# KiCad board Leopold Replacement.kicad_pcb (continued)
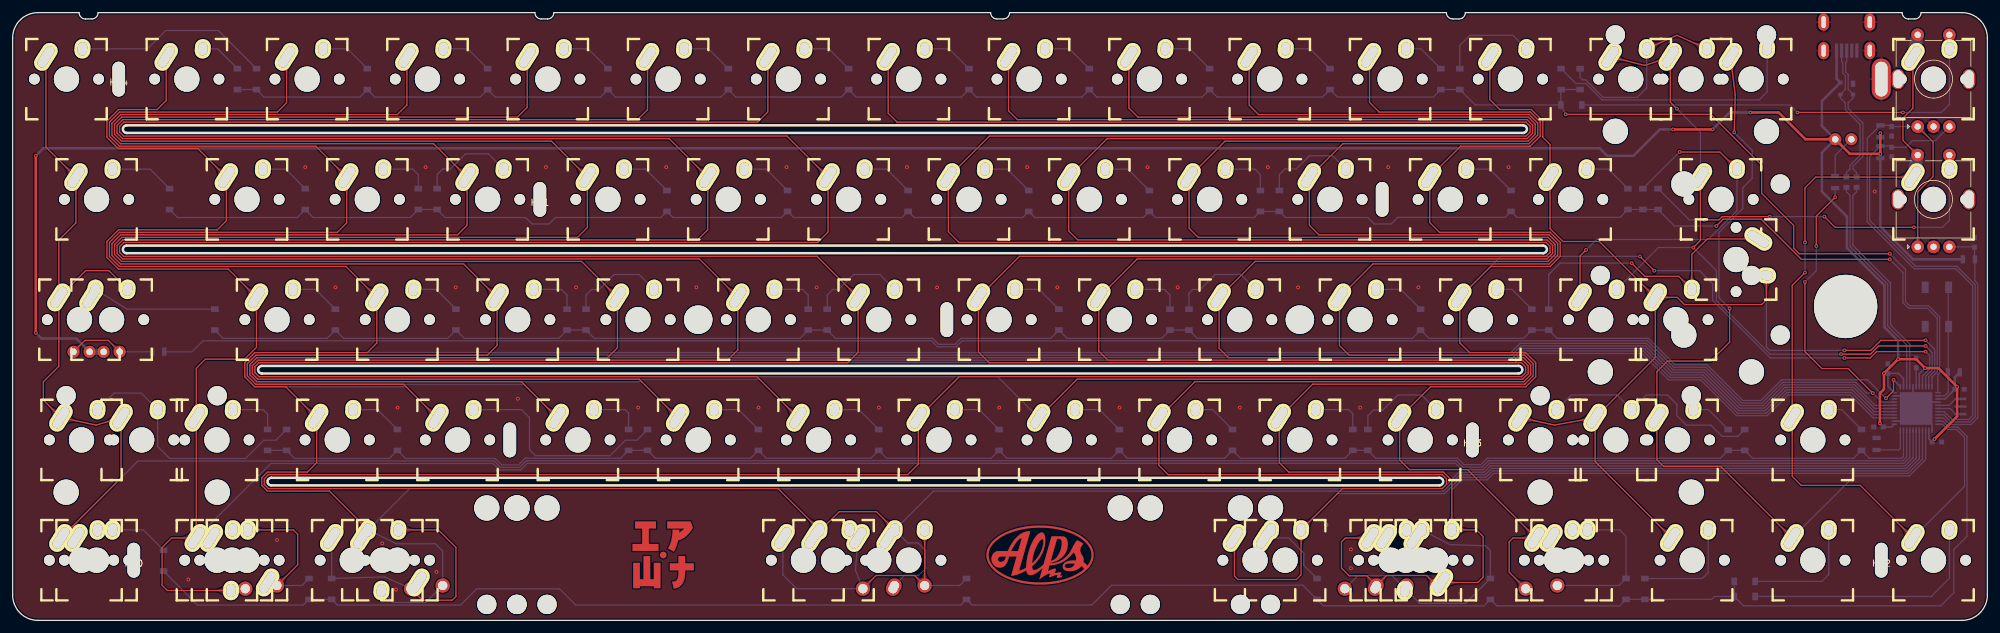
[diagram p0: board, top side]
## Copper pours and planes (outline as drawn; the poured copper is in the pictures) (continued)
Col12 on Top: 260.05,14.92 260.1,14.86 260.15,14.81 260.2,14.76 260.25,14.7 260.29,14.64 260.34,14.59 260.38,14.53 260.42,14.47 260.46,14.41 260.49,14.36 260.53,14.3 260.56,14.24 260.59,14.17 260.62,14.11 260.64,14.05 260.67,13.99 260.69,13.92 260.71,13.86 260.73,13.79 260.75,13.73 260.77,13.66 260.78,13.6 260.8,13.53 260.81,13.46 260.82,13.39 260.82,13.32 260.83,13.25 260.83,13.18 260.83,13.11 260.84,13.04 262.53,12.58 262.07,14.28 262,14.28 261.93,14.28 261.86,14.28 261.79,14.29 261.72,14.29 261.65,14.3 261.58,14.31 261.51,14.33 261.45,14.34 261.38,14.36 261.32,14.38 261.25,14.4 261.19,14.42 261.12,14.44 261.06,14.47 261,14.49 260.94,14.52 260.87,14.55 260.81,14.58 260.75,14.62 260.7,14.65 260.64,14.69 260.58,14.73 260.52,14.77 260.47,14.82 260.41,14.86 260.35,14.91 260.3,14.96 260.25,15.01 260.19,15.06
Col12 on Bottom: 277.16,51.73 277.16,51.81 277.16,51.88 277.17,51.96 277.17,52.03 277.18,52.1 277.19,52.17 277.2,52.24 277.21,52.31 277.23,52.38 277.25,52.44 277.26,52.51 277.28,52.57 277.3,52.64 277.33,52.7 277.35,52.77 277.38,52.83 277.41,52.89 277.44,52.95 277.47,53.01 277.5,53.07 277.54,53.13 277.58,53.19 277.61,53.24 277.65,53.3 277.7,53.35 277.74,53.41 277.79,53.46 277.83,53.51 277.88,53.57 277.93,53.62 277.06,55.14 276.18,53.62 276.23,53.57 276.28,53.51 276.33,53.46 276.38,53.41 276.42,53.35 276.46,53.3 276.5,53.24 276.54,53.19 276.58,53.13 276.61,53.07 276.65,53.01 276.68,52.95 276.71,52.89 276.74,52.83 276.77,52.77 276.79,52.7 276.81,52.64 276.83,52.57 276.85,52.51 276.87,52.44 276.89,52.38 276.9,52.31 276.92,52.24 276.93,52.17 276.94,52.1 276.95,52.03 276.95,51.96 276.96,51.88 276.96,51.81 276.96,51.73
Col13 on Top: 255.1,88.5 255.03,88.52 254.96,88.54 254.89,88.56 254.82,88.58 254.75,88.61 254.68,88.63 254.62,88.66 254.56,88.69 254.49,88.72 254.43,88.75 254.37,88.78 254.31,88.82 254.26,88.86 254.2,88.89 254.14,88.93 254.09,88.97 254.04,89.02 253.98,89.06 253.93,89.11 253.88,89.15 253.84,89.2 253.79,89.25 253.74,89.3 253.7,89.35 253.66,89.41 253.61,89.46 253.57,89.52 253.53,89.58 253.49,89.64 253.46,89.7 251.77,89.21 253.04,88 253.1,88.04 253.16,88.07 253.22,88.11 253.29,88.14 253.35,88.17 253.41,88.2 253.48,88.22 253.54,88.25 253.61,88.27 253.67,88.29 253.74,88.31 253.8,88.32 253.87,88.34 253.94,88.35 254,88.36 254.07,88.37 254.14,88.38 254.21,88.38 254.27,88.39 254.34,88.39 254.41,88.39 254.48,88.39 254.55,88.38 254.62,88.38 254.69,88.37 254.76,88.36 254.84,88.35 254.91,88.34 254.98,88.32 255.05,88.3
Col13 on Top: 259.28,88.09 259.36,88.11 259.43,88.13 259.5,88.15 259.57,88.17 259.64,88.18 259.71,88.2 259.78,88.21 259.85,88.22 259.91,88.23 259.98,88.23 260.05,88.24 260.12,88.24 260.19,88.24 260.26,88.24 260.33,88.23 260.39,88.23 260.46,88.22 260.53,88.21 260.59,88.2 260.66,88.19 260.73,88.17 260.79,88.15 260.86,88.14 260.93,88.12 260.99,88.09 261.06,88.07 261.12,88.04 261.19,88.01 261.25,87.98 261.32,87.95 262.48,89.26 260.76,89.61 260.73,89.55 260.69,89.48 260.66,89.42 260.62,89.36 260.59,89.3 260.55,89.25 260.51,89.19 260.47,89.13 260.42,89.08 260.38,89.03 260.33,88.98 260.29,88.93 260.24,88.88 260.19,88.84 260.14,88.79 260.09,88.75 260.03,88.7 259.98,88.66 259.92,88.62 259.87,88.59 259.81,88.55 259.75,88.51 259.69,88.48 259.62,88.45 259.56,88.41 259.49,88.38 259.43,88.36 259.36,88.33 259.29,88.3 259.22,88.28
Col13 on Top: 261.99,86.29 261.99,86.36 261.99,86.44 261.99,86.51 262,86.58 262.01,86.65 262.02,86.72 262.03,86.79 262.04,86.86 262.05,86.93 262.07,87 262.09,87.06 262.11,87.13 262.13,87.19 262.15,87.26 262.18,87.32 262.21,87.38 262.23,87.45 262.26,87.51 262.3,87.57 262.33,87.63 262.36,87.68 262.4,87.74 262.44,87.8 262.48,87.85 262.52,87.91 262.57,87.96 262.61,88.02 262.66,88.07 262.71,88.12 262.76,88.17 261.88,89.69 261.01,88.17 261.06,88.12 261.11,88.07 261.16,88.02 261.2,87.96 261.25,87.91 261.29,87.85 261.33,87.8 261.37,87.74 261.41,87.68 261.44,87.63 261.47,87.57 261.51,87.51 261.54,87.45 261.56,87.38 261.59,87.32 261.62,87.26 261.64,87.19 261.66,87.13 261.68,87.06 261.7,87 261.72,86.93 261.73,86.86 261.74,86.79 261.75,86.72 261.76,86.65 261.77,86.58 261.78,86.51 261.78,86.44 261.78,86.36 261.79,86.29
Col13 on Top: 266.74,67.28 266.74,67.35 266.74,67.43 266.74,67.5 266.75,67.57 266.76,67.64 266.77,67.71 266.78,67.78 266.79,67.85 266.81,67.92 266.82,67.99 266.84,68.05 266.86,68.12 266.88,68.18 266.91,68.25 266.93,68.31 266.96,68.37 266.99,68.44 267.02,68.5 267.05,68.56 267.08,68.62 267.12,68.67 267.15,68.73 267.19,68.79 267.23,68.84 267.28,68.9 267.32,68.95 267.36,69.01 267.41,69.06 267.46,69.11 267.51,69.16 266.64,70.68 265.76,69.16 265.81,69.11 265.86,69.06 265.91,69.01 265.95,68.95 266,68.9 266.04,68.84 266.08,68.79 266.12,68.73 266.16,68.67 266.19,68.62 266.23,68.56 266.26,68.5 266.29,68.44 266.32,68.37 266.34,68.31 266.37,68.25 266.39,68.18 266.41,68.12 266.43,68.05 266.45,67.99 266.47,67.92 266.48,67.85 266.49,67.78 266.51,67.71 266.52,67.64 266.52,67.57 266.53,67.5 266.53,67.43 266.54,67.35 266.54,67.28
Col13 on Bottom: 266.54,72.83 266.54,72.76 266.53,72.68 266.53,72.61 266.52,72.54 266.52,72.47 266.51,72.4 266.49,72.33 266.48,72.26 266.47,72.19 266.45,72.12 266.43,72.06 266.41,71.99 266.39,71.93 266.37,71.86 266.34,71.8 266.32,71.74 266.29,71.67 266.26,71.61 266.23,71.55 266.19,71.49 266.16,71.44 266.12,71.38 266.08,71.32 266.04,71.27 266,71.21 265.95,71.16 265.91,71.1 265.86,71.05 265.81,71 265.76,70.95 266.64,69.43 267.51,70.95 267.46,71 267.41,71.05 267.36,71.1 267.32,71.16 267.28,71.21 267.23,71.27 267.19,71.32 267.15,71.38 267.12,71.44 267.08,71.49 267.05,71.55 267.02,71.61 266.99,71.67 266.96,71.74 266.93,71.8 266.91,71.86 266.88,71.93 266.86,71.99 266.84,72.06 266.82,72.12 266.81,72.19 266.79,72.26 266.78,72.33 266.77,72.4 266.76,72.47 266.75,72.54 266.74,72.61 266.74,72.68 266.74,72.76 266.74,72.83
Col13 on Bottom: 255.29,54.35 255.24,54.3 255.19,54.25 255.13,54.2 255.08,54.15 255.02,54.11 254.96,54.06 254.91,54.02 254.85,53.98 254.79,53.94 254.73,53.91 254.67,53.87 254.61,53.84 254.55,53.81 254.49,53.78 254.43,53.76 254.36,53.73 254.3,53.71 254.24,53.69 254.17,53.67 254.11,53.65 254.04,53.63 253.97,53.62 253.91,53.6 253.84,53.59 253.77,53.58 253.7,53.58 253.63,53.57 253.56,53.57 253.49,53.57 253.41,53.57 252.96,51.87 254.65,52.33 254.65,52.4 254.65,52.47 254.66,52.54 254.66,52.61 254.67,52.68 254.68,52.75 254.69,52.82 254.7,52.89 254.72,52.95 254.73,53.02 254.75,53.08 254.77,53.15 254.79,53.21 254.82,53.28 254.84,53.34 254.87,53.4 254.9,53.46 254.93,53.53 254.96,53.59 255,53.65 255.03,53.7 255.07,53.76 255.11,53.82 255.15,53.88 255.19,53.93 255.24,53.99 255.28,54.05 255.33,54.1 255.38,54.15 255.44,54.21
Col14 on Top: 271.83,86.32 271.82,86.4 271.81,86.47 271.81,86.54 271.81,86.61 271.81,86.69 271.81,86.76 271.81,86.83 271.81,86.9 271.82,86.97 271.83,87.04 271.84,87.1 271.85,87.17 271.86,87.24 271.88,87.31 271.89,87.37 271.91,87.44 271.93,87.5 271.96,87.56 271.98,87.63 272.01,87.69 272.04,87.75 272.06,87.81 272.1,87.88 272.13,87.94 272.16,88 272.2,88.06 272.24,88.11 272.28,88.17 272.32,88.23 272.37,88.29 271.31,89.69 270.63,88.07 270.69,88.03 270.74,87.98 270.8,87.94 270.85,87.89 270.9,87.84 270.95,87.79 270.99,87.74 271.04,87.69 271.08,87.64 271.12,87.58 271.17,87.53 271.2,87.47 271.24,87.42 271.28,87.36 271.31,87.3 271.34,87.24 271.38,87.18 271.4,87.12 271.43,87.05 271.46,86.99 271.48,86.93 271.51,86.86 271.53,86.79 271.55,86.73 271.56,86.66 271.58,86.59 271.6,86.52 271.61,86.44 271.62,86.37 271.63,86.3
Col14 on Top: 259.66,34.81 259.66,34.74 259.66,34.66 259.65,34.59 259.64,34.52 259.64,34.45 259.63,34.38 259.62,34.31 259.6,34.24 259.59,34.17 259.57,34.1 259.55,34.04 259.53,33.97 259.51,33.91 259.49,33.84 259.46,33.78 259.44,33.72 259.41,33.65 259.38,33.59 259.35,33.53 259.31,33.47 259.28,33.42 259.24,33.36 259.2,33.3 259.16,33.25 259.12,33.19 259.08,33.14 259.03,33.08 258.98,33.03 258.93,32.98 258.88,32.93 259.76,31.41 260.63,32.93 260.58,32.98 260.53,33.03 260.49,33.08 260.44,33.14 260.4,33.19 260.35,33.25 260.31,33.3 260.28,33.36 260.24,33.42 260.2,33.47 260.17,33.53 260.14,33.59 260.11,33.65 260.08,33.72 260.05,33.78 260.03,33.84 260,33.91 259.98,33.97 259.96,34.04 259.94,34.1 259.93,34.17 259.91,34.24 259.9,34.31 259.89,34.38 259.88,34.45 259.87,34.52 259.87,34.59 259.86,34.66 259.86,34.74 259.86,34.81
Col14 on Top: 279.11,14.92 279.16,14.86 279.21,14.81 279.26,14.76 279.31,14.7 279.35,14.64 279.4,14.59 279.44,14.53 279.48,14.47 279.52,14.41 279.55,14.36 279.59,14.3 279.62,14.24 279.65,14.17 279.68,14.11 279.7,14.05 279.73,13.99 279.75,13.92 279.77,13.86 279.79,13.79 279.81,13.73 279.83,13.66 279.84,13.6 279.86,13.53 279.87,13.46 279.88,13.39 279.88,13.32 279.89,13.25 279.89,13.18 279.89,13.11 279.9,13.04 281.59,12.58 281.13,14.28 281.06,14.28 280.99,14.28 280.92,14.28 280.85,14.29 280.78,14.29 280.71,14.3 280.64,14.31 280.57,14.33 280.51,14.34 280.44,14.36 280.38,14.38 280.31,14.4 280.25,14.42 280.18,14.44 280.12,14.47 280.06,14.49 280,14.52 279.93,14.55 279.87,14.58 279.81,14.62 279.76,14.65 279.7,14.69 279.64,14.73 279.58,14.77 279.53,14.82 279.47,14.86 279.41,14.91 279.36,14.96 279.31,15.01 279.25,15.06
Col14 on Top: 259.86,29.26 259.86,29.33 259.86,29.41 259.87,29.48 259.87,29.55 259.88,29.62 259.89,29.69 259.9,29.76 259.91,29.83 259.93,29.9 259.94,29.97 259.96,30.03 259.98,30.1 260,30.16 260.03,30.23 260.05,30.29 260.08,30.35 260.11,30.42 260.14,30.48 260.17,30.54 260.2,30.6 260.24,30.65 260.28,30.71 260.31,30.77 260.35,30.82 260.4,30.88 260.44,30.93 260.49,30.99 260.53,31.04 260.58,31.09 260.63,31.14 259.76,32.66 258.88,31.14 258.93,31.09 258.98,31.04 259.03,30.99 259.08,30.93 259.12,30.88 259.16,30.82 259.2,30.77 259.24,30.71 259.28,30.65 259.31,30.6 259.35,30.54 259.38,30.48 259.41,30.42 259.44,30.35 259.46,30.29 259.49,30.23 259.51,30.16 259.53,30.1 259.55,30.03 259.57,29.97 259.59,29.9 259.6,29.83 259.62,29.76 259.63,29.69 259.64,29.62 259.64,29.55 259.65,29.48 259.66,29.41 259.66,29.33 259.66,29.26
Col14 on Bottom: 283.04,15.06 282.98,15.01 282.93,14.96 282.88,14.91 282.82,14.86 282.76,14.82 282.71,14.77 282.65,14.73 282.59,14.69 282.53,14.65 282.48,14.62 282.42,14.58 282.36,14.55 282.29,14.52 282.23,14.49 282.17,14.47 282.11,14.44 282.04,14.42 281.98,14.4 281.91,14.38 281.85,14.36 281.78,14.34 281.72,14.33 281.65,14.31 281.58,14.3 281.51,14.29 281.44,14.29 281.37,14.28 281.3,14.28 281.23,14.28 281.16,14.28 280.7,12.58 282.39,13.04 282.4,13.11 282.4,13.18 282.4,13.25 282.41,13.32 282.41,13.39 282.42,13.46 282.43,13.53 282.45,13.6 282.46,13.66 282.48,13.73 282.5,13.79 282.52,13.86 282.54,13.92 282.56,13.99 282.59,14.05 282.61,14.11 282.64,14.17 282.67,14.24 282.7,14.3 282.74,14.36 282.77,14.41 282.81,14.47 282.85,14.53 282.89,14.59 282.94,14.64 282.98,14.7 283.03,14.76 283.08,14.81 283.13,14.86 283.18,14.92
Col15 on Top: 297.43,69.96 297.5,69.95 297.58,69.95 297.65,69.95 297.72,69.94 297.79,69.93 297.86,69.92 297.93,69.91 298,69.9 298.07,69.89 298.14,69.87 298.2,69.85 298.27,69.83 298.33,69.81 298.4,69.79 298.46,69.76 298.52,69.73 298.59,69.71 298.65,69.68 298.71,69.64 298.77,69.61 298.82,69.58 298.88,69.54 298.94,69.5 298.99,69.46 299.05,69.42 299.1,69.37 299.16,69.33 299.21,69.28 299.26,69.23 299.31,69.18 300.83,70.06 299.31,70.93 299.26,70.88 299.21,70.83 299.16,70.78 299.1,70.74 299.05,70.69 298.99,70.65 298.94,70.61 298.88,70.57 298.82,70.54 298.77,70.5 298.71,70.47 298.65,70.43 298.59,70.4 298.52,70.38 298.46,70.35 298.4,70.32 298.33,70.3 298.27,70.28 298.2,70.26 298.14,70.24 298.07,70.23 298,70.21 297.93,70.2 297.86,70.19 297.79,70.18 297.72,70.17 297.65,70.16 297.58,70.16 297.5,70.16 297.43,70.16
Col15 on Top: 281.05,34.81 281.04,34.74 281.04,34.66 281.04,34.59 281.03,34.52 281.02,34.45 281.01,34.38 281,34.31 280.99,34.24 280.98,34.17 280.96,34.1 280.94,34.04 280.92,33.97 280.9,33.91 280.88,33.84 280.85,33.78 280.82,33.72 280.8,33.65 280.77,33.59 280.73,33.53 280.7,33.47 280.67,33.42 280.63,33.36 280.59,33.3 280.55,33.25 280.51,33.19 280.46,33.14 280.42,33.08 280.37,33.03 280.32,32.98 280.27,32.93 281.14,31.41 282.02,32.93 281.97,32.98 281.92,33.03 281.87,33.08 281.83,33.14 281.78,33.19 281.74,33.25 281.7,33.3 281.66,33.36 281.62,33.42 281.59,33.47 281.56,33.53 281.52,33.59 281.49,33.65 281.47,33.72 281.44,33.78 281.41,33.84 281.39,33.91 281.37,33.97 281.35,34.04 281.33,34.1 281.31,34.17 281.3,34.24 281.29,34.31 281.28,34.38 281.27,34.45 281.26,34.52 281.25,34.59 281.25,34.66 281.25,34.74 281.25,34.81
Col15 on Top: 300.31,86.29 300.31,86.36 300.31,86.44 300.31,86.51 300.32,86.58 300.33,86.65 300.34,86.72 300.35,86.79 300.36,86.86 300.37,86.93 300.39,87 300.41,87.06 300.43,87.13 300.45,87.19 300.47,87.26 300.5,87.32 300.53,87.38 300.55,87.45 300.58,87.51 300.62,87.57 300.65,87.63 300.68,87.68 300.72,87.74 300.76,87.8 300.8,87.85 300.84,87.91 300.89,87.96 300.93,88.02 300.98,88.07 301.03,88.12 301.08,88.17 300.2,89.69 299.33,88.17 299.38,88.12 299.43,88.07 299.48,88.02 299.52,87.96 299.57,87.91 299.61,87.85 299.65,87.8 299.69,87.74 299.73,87.68 299.76,87.63 299.79,87.57 299.83,87.51 299.86,87.45 299.88,87.38 299.91,87.32 299.94,87.26 299.96,87.19 299.98,87.13 300,87.06 300.02,87 300.04,86.93 300.05,86.86 300.06,86.79 300.07,86.72 300.08,86.65 300.09,86.58 300.1,86.51 300.1,86.44 300.1,86.36 300.11,86.29
Col15 on Top: 299.35,75 299.96,73.55 301.31,73.18 300.95,74.54 299.49,75.14
Col15 on Top: 298.17,14.92 298.22,14.86 298.27,14.81 298.32,14.76 298.37,14.7 298.41,14.64 298.46,14.59 298.5,14.53 298.54,14.47 298.58,14.41 298.61,14.36 298.65,14.3 298.68,14.24 298.71,14.17 298.74,14.11 298.76,14.05 298.79,13.99 298.81,13.92 298.83,13.86 298.85,13.79 298.87,13.73 298.89,13.66 298.9,13.6 298.92,13.53 298.93,13.46 298.94,13.39 298.94,13.32 298.95,13.25 298.95,13.18 298.95,13.11 298.96,13.04 300.65,12.58 300.19,14.28 300.12,14.28 300.05,14.28 299.98,14.28 299.91,14.29 299.84,14.29 299.77,14.3 299.7,14.31 299.63,14.33 299.57,14.34 299.5,14.36 299.44,14.38 299.37,14.4 299.31,14.42 299.24,14.44 299.18,14.47 299.12,14.49 299.06,14.52 298.99,14.55 298.93,14.58 298.87,14.62 298.82,14.65 298.76,14.69 298.7,14.73 298.64,14.77 298.59,14.82 298.53,14.86 298.47,14.91 298.42,14.96 298.37,15.01 298.31,15.06
Col15 on Top: 281.25,29.26 281.25,29.33 281.25,29.41 281.25,29.48 281.26,29.55 281.27,29.62 281.28,29.69 281.29,29.76 281.3,29.83 281.31,29.9 281.33,29.97 281.35,30.03 281.37,30.1 281.39,30.16 281.41,30.23 281.44,30.29 281.47,30.35 281.49,30.42 281.52,30.48 281.56,30.54 281.59,30.6 281.62,30.65 281.66,30.71 281.7,30.77 281.74,30.82 281.78,30.88 281.83,30.93 281.87,30.99 281.92,31.04 281.97,31.09 282.02,31.14 281.14,32.66 280.27,31.14 280.32,31.09 280.37,31.04 280.42,30.99 280.46,30.93 280.51,30.88 280.55,30.82 280.59,30.77 280.63,30.71 280.67,30.65 280.7,30.6 280.73,30.54 280.77,30.48 280.8,30.42 280.82,30.35 280.85,30.29 280.88,30.23 280.9,30.16 280.92,30.1 280.94,30.03 280.96,29.97 280.98,29.9 280.99,29.83 281,29.76 281.01,29.69 281.02,29.62 281.03,29.55 281.04,29.48 281.04,29.41 281.04,29.33 281.05,29.26
Col15 on Bottom: 299.6,71.98 299.54,71.11 300.07,69.44 301.25,70.74 301.55,71.55
Col15 on Bottom: 299.6,90.99 299.54,90.12 300.07,88.45 301.25,89.75 301.55,90.56
Col15 on Bottom: 302.1,15.06 302.04,15.01 301.99,14.96 301.94,14.91 301.88,14.86 301.82,14.82 301.77,14.77 301.71,14.73 301.65,14.69 301.59,14.65 301.54,14.62 301.48,14.58 301.42,14.55 301.35,14.52 301.29,14.49 301.23,14.47 301.17,14.44 301.1,14.42 301.04,14.4 300.97,14.38 300.91,14.36 300.84,14.34 300.78,14.33 300.71,14.31 300.64,14.3 300.57,14.29 300.5,14.29 300.43,14.28 300.36,14.28 300.29,14.28 300.22,14.28 299.76,12.58 301.45,13.04 301.46,13.11 301.46,13.18 301.46,13.25 301.47,13.32 301.47,13.39 301.48,13.46 301.49,13.53 301.51,13.6 301.52,13.66 301.54,13.73 301.56,13.79 301.58,13.86 301.6,13.92 301.62,13.99 301.65,14.05 301.67,14.11 301.7,14.17 301.73,14.24 301.76,14.3 301.8,14.36 301.83,14.41 301.87,14.47 301.91,14.53 301.95,14.59 302,14.64 302.04,14.7 302.09,14.76 302.14,14.81 302.19,14.86 302.24,14.92
EC_A on Top: 300.86,61.21 300.26,59.75 300.96,58.54 301.66,59.75 301.06,61.21
EC_A on Top: 302.57,76.58 301.96,78.04 300.61,78.4 300.97,77.05 302.43,76.44
EC_A on Bottom: 298.79,77.95 300.25,77.35 301.46,78.05 300.25,78.75 298.79,78.15
EC_B on Bottom: 304.49,76.44 305.95,77.05 306.31,78.4 304.96,78.04 304.35,76.58
EC_C on Bottom: 308.13,59.14 306.67,59.74 305.46,59.04 306.67,58.34 308.13,58.94
Net-(D1-Pad2) on Bottom: 13.8,90.44 13.73,90.44 13.65,90.44 13.58,90.44 13.51,90.45 13.44,90.46 13.37,90.47 13.3,90.48 13.23,90.49 13.16,90.51 13.09,90.52 13.03,90.54 12.96,90.56 12.9,90.58 12.83,90.6 12.77,90.63 12.71,90.66 12.64,90.68 12.58,90.71 12.52,90.75 12.46,90.78 12.41,90.82 12.35,90.85 12.29,90.89 12.24,90.93 12.18,90.97 12.13,91.02 12.07,91.06 12.02,91.11 11.97,91.16 11.92,91.21 10.4,90.34 11.92,89.46 11.97,89.51 12.02,89.56 12.07,89.61 12.13,89.65 12.18,89.7 12.24,89.74 12.29,89.78 12.35,89.82 12.41,89.86 12.46,89.89 12.52,89.92 12.58,89.96 12.64,89.99 12.71,90.01 12.77,90.04 12.83,90.07 12.9,90.09 12.96,90.11 13.03,90.13 13.09,90.15 13.16,90.17 13.23,90.18 13.3,90.19 13.37,90.2 13.44,90.21 13.51,90.22 13.58,90.23 13.65,90.23 13.73,90.23 13.8,90.24
Net-(D2-Pad2) on Bottom: 18.55,71.43 18.48,71.43 18.41,71.43 18.33,71.43 18.26,71.44 18.19,71.45 18.12,71.46 18.05,71.47 17.98,71.48 17.91,71.5 17.84,71.51 17.78,71.53 17.71,71.55 17.65,71.57 17.58,71.59 17.52,71.62 17.46,71.65 17.4,71.67 17.34,71.7 17.28,71.74 17.22,71.77 17.16,71.81 17.1,71.84 17.04,71.88 16.99,71.92 16.93,71.96 16.88,72.01 16.83,72.05 16.77,72.1 16.72,72.15 16.67,72.2 15.15,71.33 16.67,70.45 16.72,70.5 16.77,70.55 16.83,70.6 16.88,70.64 16.93,70.69 16.99,70.73 17.04,70.77 17.1,70.81 17.16,70.85 17.22,70.88 17.28,70.91 17.34,70.95 17.4,70.98 17.46,71 17.52,71.03 17.58,71.06 17.65,71.08 17.71,71.1 17.78,71.12 17.84,71.14 17.91,71.16 17.98,71.17 18.05,71.18 18.12,71.19 18.19,71.2 18.26,71.21 18.33,71.22 18.41,71.22 18.48,71.22 18.55,71.23
Net-(D3-Pad2) on Bottom: 15.48,50.93 15.42,50.97 15.36,51.01 15.3,51.05 15.24,51.09 15.18,51.14 15.13,51.18 15.07,51.23 15.02,51.28 14.97,51.33 14.92,51.38 14.88,51.43 14.83,51.48 14.79,51.53 14.75,51.58 14.71,51.64 14.67,51.69 14.63,51.75 14.6,51.81 14.56,51.87 14.53,51.93 14.5,51.99 14.47,52.05 14.44,52.11 14.42,52.18 14.39,52.24 14.37,52.31 14.35,52.38 14.33,52.44 14.31,52.51 14.29,52.58 12.54,52.65 13.37,51.1 13.44,51.12 13.51,51.13 13.58,51.14 13.65,51.15 13.71,51.16 13.78,51.17 13.85,51.17 13.92,51.17 13.99,51.18 14.06,51.17 14.13,51.17 14.19,51.17 14.26,51.16 14.33,51.15 14.4,51.14 14.46,51.13 14.53,51.11 14.6,51.1 14.66,51.08 14.73,51.06 14.79,51.04 14.86,51.02 14.92,50.99 14.99,50.96 15.05,50.93 15.12,50.9 15.18,50.87 15.25,50.83 15.31,50.8 15.37,50.76
Net-(D4-Pad2) on Bottom: 23.01,30.53 23.01,30.6 23.01,30.68 23.01,30.75 23.02,30.82 23.03,30.89 23.04,30.96 23.05,31.03 23.06,31.1 23.08,31.17 23.09,31.24 23.11,31.3 23.13,31.37 23.15,31.43 23.18,31.5 23.2,31.56 23.23,31.62 23.26,31.69 23.29,31.75 23.32,31.81 23.35,31.87 23.39,31.92 23.42,31.98 23.46,32.04 23.5,32.09 23.54,32.15 23.59,32.2 23.63,32.26 23.68,32.31 23.73,32.36 23.78,32.41 22.91,33.93 22.03,32.41 22.08,32.36 22.13,32.31 22.18,32.26 22.22,32.2 22.27,32.15 22.31,32.09 22.35,32.04 22.39,31.98 22.43,31.92 22.46,31.87 22.5,31.81 22.53,31.75 22.56,31.69 22.59,31.62 22.61,31.56 22.64,31.5 22.66,31.43 22.68,31.37 22.7,31.3 22.72,31.24 22.74,31.17 22.75,31.1 22.76,31.03 22.78,30.96 22.78,30.89 22.79,30.82 22.8,30.75 22.8,30.68 22.81,30.6 22.81,30.53
Net-(D4-Pad2) on Bottom: 20.87,35.2 20.92,35.14 20.97,35.09 21.02,35.04 21.07,34.98 21.11,34.92 21.16,34.87 21.2,34.81 21.24,34.75 21.28,34.69 21.31,34.64 21.35,34.58 21.38,34.52 21.41,34.45 21.44,34.39 21.47,34.33 21.49,34.27 21.51,34.2 21.54,34.14 21.56,34.07 21.57,34.01 21.59,33.94 21.6,33.88 21.62,33.81 21.63,33.74 21.64,33.67 21.64,33.6 21.65,33.53 21.65,33.46 21.66,33.39 21.66,33.32 23.35,32.86 22.89,34.56 22.82,34.56 22.75,34.56 22.68,34.56 22.61,34.57 22.54,34.57 22.47,34.58 22.4,34.59 22.34,34.61 22.27,34.62 22.2,34.64 22.14,34.66 22.07,34.68 22.01,34.7 21.94,34.72 21.88,34.75 21.82,34.77 21.76,34.8 21.7,34.83 21.64,34.86 21.58,34.9 21.52,34.93 21.46,34.97 21.4,35.01 21.34,35.05 21.29,35.1 21.23,35.14 21.18,35.19 21.12,35.24 21.07,35.29 21.01,35.34
Net-(D4-Pad2) on Bottom: 15.29,35.34 15.24,35.29 15.19,35.24 15.13,35.19 15.08,35.14 15.02,35.1 14.96,35.05 14.91,35.01 14.85,34.97 14.79,34.93 14.73,34.9 14.67,34.86 14.61,34.83 14.55,34.8 14.49,34.77 14.43,34.75 14.36,34.72 14.3,34.7 14.24,34.68 14.17,34.66 14.1,34.64 14.04,34.62 13.97,34.61 13.9,34.59 13.84,34.58 13.77,34.57 13.7,34.57 13.63,34.56 13.56,34.56 13.49,34.56 13.41,34.56 12.96,32.86 14.65,33.32 14.65,33.39 14.65,33.46 14.66,33.53 14.66,33.6 14.67,33.67 14.68,33.74 14.69,33.81 14.7,33.88 14.72,33.94 14.73,34.01 14.75,34.07 14.77,34.14 14.79,34.2 14.82,34.27 14.84,34.33 14.87,34.39 14.9,34.45 14.93,34.52 14.96,34.58 14.99,34.64 15.03,34.69 15.07,34.75 15.11,34.81 15.15,34.87 15.19,34.92 15.24,34.98 15.28,35.04 15.33,35.09 15.38,35.14 15.44,35.2
Net-(D5-Pad2) on Bottom: 32.38,90.44 30.93,91.21 29.41,90.34 30.93,89.46 32.38,90.24
Net-(D6-Pad2) on Bottom: 42.32,71.43 42.24,71.43 42.17,71.43 42.1,71.43 42.02,71.44 41.95,71.45 41.88,71.46 41.81,71.47 41.74,71.48 41.67,71.5 41.61,71.51 41.54,71.53 41.48,71.55 41.41,71.57 41.35,71.59 41.28,71.62 41.22,71.65 41.16,71.67 41.1,71.7 41.04,71.74 40.98,71.77 40.92,71.81 40.86,71.84 40.81,71.88 40.75,71.92 40.7,71.96 40.64,72.01 40.59,72.05 40.54,72.1 40.48,72.15 40.43,72.2 38.91,71.33 40.43,70.45 40.48,70.5 40.54,70.55 40.59,70.6 40.64,70.64 40.7,70.69 40.75,70.73 40.81,70.77 40.86,70.81 40.92,70.85 40.98,70.88 41.04,70.91 41.1,70.95 41.16,70.98 41.22,71 41.28,71.03 41.35,71.06 41.41,71.08 41.48,71.1 41.54,71.12 41.61,71.14 41.67,71.16 41.74,71.17 41.81,71.18 41.88,71.19 41.95,71.2 42.02,71.21 42.1,71.22 42.17,71.22 42.24,71.22 42.32,71.23
Net-(D7-Pad2) on Bottom: 47.07,52.42 46.99,52.42 46.92,52.42 46.85,52.42 46.78,52.43 46.7,52.44 46.63,52.45 46.56,52.46 46.5,52.47 46.43,52.49 46.36,52.5 46.29,52.52 46.23,52.54 46.16,52.56 46.1,52.58 46.04,52.61 45.97,52.64 45.91,52.66 45.85,52.69 45.79,52.73 45.73,52.76 45.67,52.8 45.62,52.83 45.56,52.87 45.5,52.91 45.45,52.95 45.39,53 45.34,53.04 45.29,53.09 45.24,53.14 45.19,53.19 43.67,52.32 45.19,51.44 45.24,51.49 45.29,51.54 45.34,51.59 45.39,51.63 45.45,51.68 45.5,51.72 45.56,51.76 45.62,51.8 45.67,51.84 45.73,51.87 45.79,51.9 45.85,51.94 45.91,51.97 45.97,51.99 46.04,52.02 46.1,52.05 46.16,52.07 46.23,52.09 46.29,52.11 46.36,52.13 46.43,52.15 46.5,52.16 46.56,52.17 46.63,52.18 46.7,52.19 46.78,52.2 46.85,52.21 46.92,52.21 46.99,52.21 47.07,52.22
Net-(D8-Pad2) on Bottom: 37.56,33.41 37.49,33.41 37.42,33.41 37.34,33.41 37.27,33.42 37.2,33.43 37.13,33.44 37.06,33.45 36.99,33.46 36.92,33.48 36.85,33.49 36.79,33.51 36.72,33.53 36.66,33.55 36.59,33.57 36.53,33.6 36.47,33.63 36.41,33.65 36.35,33.68 36.29,33.72 36.23,33.75 36.17,33.79 36.11,33.82 36.05,33.86 36,33.9 35.94,33.94 35.89,33.99 35.84,34.03 35.78,34.08 35.73,34.13 35.68,34.18 34.16,33.31 35.68,32.43 35.73,32.48 35.78,32.53 35.84,32.58 35.89,32.62 35.94,32.67 36,32.71 36.05,32.75 36.11,32.79 36.17,32.83 36.23,32.86 36.29,32.89 36.35,32.93 36.41,32.96 36.47,32.98 36.53,33.01 36.59,33.04 36.66,33.06 36.72,33.08 36.79,33.1 36.85,33.12 36.92,33.14 36.99,33.15 37.06,33.16 37.13,33.17 37.2,33.18 37.27,33.19 37.34,33.2 37.42,33.2 37.49,33.2 37.56,33.21
Net-(D9-Pad2) on Bottom: 51.82,90.44 51.75,90.44 51.67,90.44 51.6,90.44 51.53,90.45 51.46,90.46 51.39,90.47 51.32,90.48 51.25,90.49 51.18,90.51 51.11,90.52 51.05,90.54 50.98,90.56 50.92,90.58 50.85,90.6 50.79,90.63 50.73,90.66 50.66,90.68 50.6,90.71 50.54,90.75 50.48,90.78 50.43,90.82 50.37,90.85 50.31,90.89 50.26,90.93 50.2,90.97 50.15,91.02 50.09,91.06 50.04,91.11 49.99,91.16 49.94,91.21 48.42,90.34 49.94,89.46 49.99,89.51 50.04,89.56 50.09,89.61 50.15,89.65 50.2,89.7 50.26,89.74 50.31,89.78 50.37,89.82 50.43,89.86 50.48,89.89 50.54,89.92 50.6,89.96 50.66,89.99 50.73,90.01 50.79,90.04 50.85,90.07 50.92,90.09 50.98,90.11 51.05,90.13 51.11,90.15 51.18,90.17 51.25,90.18 51.32,90.19 51.39,90.2 51.46,90.21 51.53,90.22 51.6,90.23 51.67,90.23 51.75,90.23 51.82,90.24
Net-(D10-Pad2) on Bottom: 61.33,71.43 61.25,71.43 61.18,71.43 61.11,71.43 61.03,71.44 60.96,71.45 60.89,71.46 60.82,71.47 60.75,71.48 60.68,71.5 60.62,71.51 60.55,71.53 60.49,71.55 60.42,71.57 60.36,71.59 60.29,71.62 60.23,71.65 60.17,71.67 60.11,71.7 60.05,71.74 59.99,71.77 59.93,71.81 59.87,71.84 59.82,71.88 59.76,71.92 59.71,71.96 59.65,72.01 59.6,72.05 59.55,72.1 59.49,72.15 59.44,72.2 57.92,71.33 59.44,70.45 59.49,70.5 59.55,70.55 59.6,70.6 59.65,70.64 59.71,70.69 59.76,70.73 59.82,70.77 59.87,70.81 59.93,70.85 59.99,70.88 60.05,70.91 60.11,70.95 60.17,70.98 60.23,71 60.29,71.03 60.36,71.06 60.42,71.08 60.49,71.1 60.55,71.12 60.62,71.14 60.68,71.16 60.75,71.17 60.82,71.18 60.89,71.19 60.96,71.2 61.03,71.21 61.11,71.22 61.18,71.22 61.25,71.22 61.33,71.23